# Altium PCB ebox-SPARK-拼板.PcbDoc (part 1 of 3) (continued)
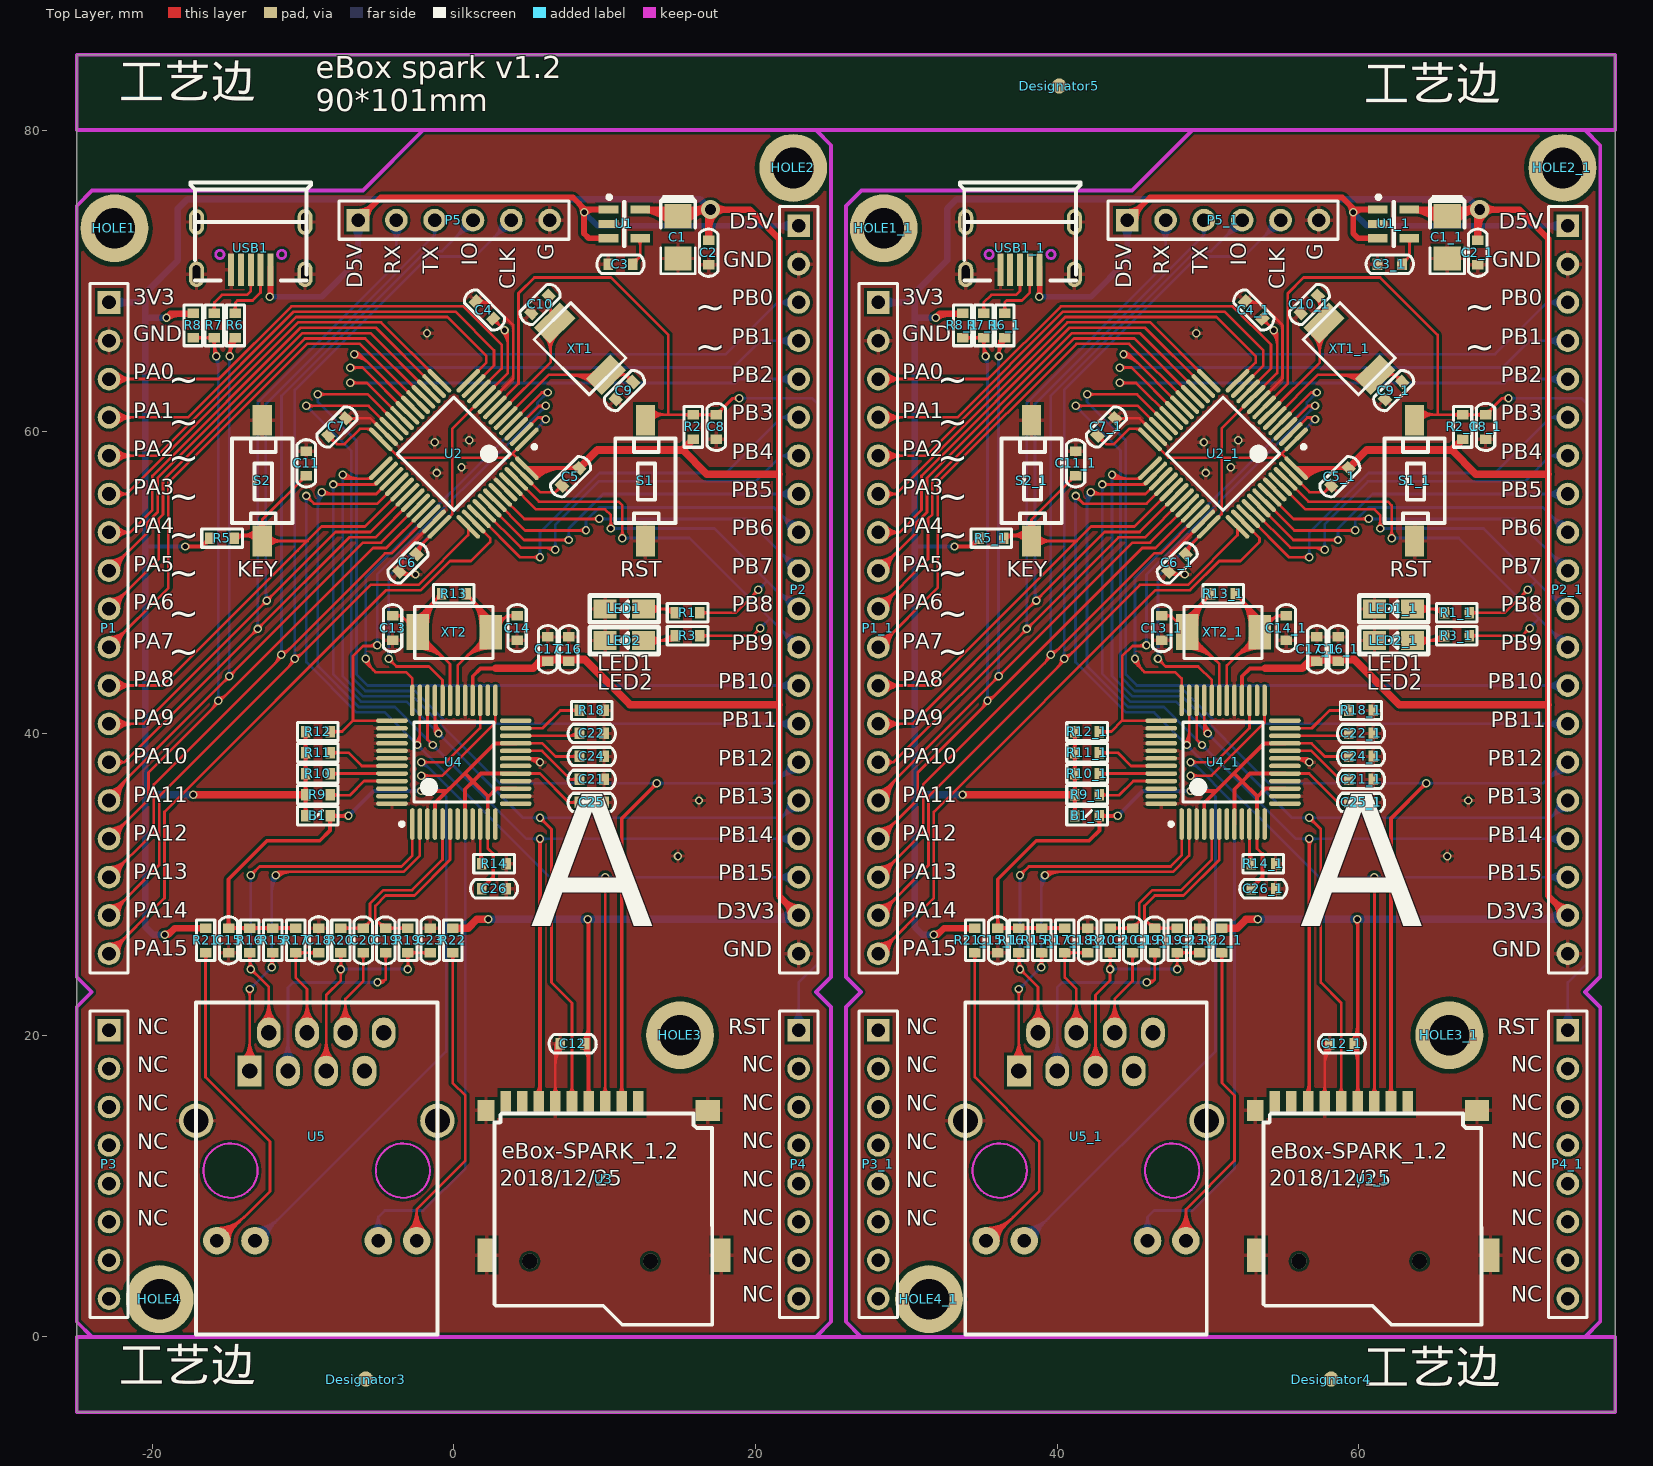
[diagram p0: Top Layer view]
## Nets (pads, with @x,y where several pads share a name; then routed paths per layer and width w, separated by ;. In a path a pad name is that pad's centre, name@x,y a point inside that pad or via, vN(x,y) a via of type N, cw(c..) or ccw(c..) an arc to the next point about the centre after c; other vN are vias at no path point) (continued)
  Bottom Layer w0.254: v1(-6.985,34.544) -5.334,36.195 v1(-2.159,36.195) ; v1@-6.985,34.696 ccw(c-6.985,35.064) -6.725,34.804 ccw(c-6.465,34.544) v1@-6.833,34.544 ; v1@-2.267,36.087 ccw(c-2.527,35.827) -2.527,36.195 ccw(c-2.527,36.563) v1@-2.267,36.303 ; v1(44.015,34.544) 45.666,36.195 v1(48.841,36.195) ; v1@44.015,34.696 ccw(c44.015,35.064) 44.275,34.804 ccw(c44.535,34.544) v1@44.167,34.544 ; v1@48.733,36.087 ccw(c48.473,35.827) 48.473,36.195 ccw(c48.473,36.563) v1@48.733,36.303
ACTLED: U4.27 U4_1.27 U5.11 U5_1.11 | length 97.2
  Top Layer w0.178: v1(-2.159,38.1) -0.508,38.1 1.75,40.358 U4.27@1.75,42.2 ; v1@-2.024,37.965 cw(c-1.699,37.64) -1.699,38.1 cw(c-1.699,38.56) v1@-2.024,38.235 ; v1(48.841,38.1) 50.492,38.1 52.75,40.358 U4_1.27@52.75,42.2 ; v1@48.976,37.965 cw(c49.301,37.64) 49.301,38.1 cw(c49.301,38.56) v1@48.976,38.235
  Bottom Layer w0.178: U5.11@-5.475,7.058 ccw(c-6.085,7.946) -5.008,7.946 ; U5.11@-5.374,6.911 ccw(c-5.853,7.608) -5.008,7.608 ccw(c-4.162,7.608) U5.11@-4.641,6.911 ; U5.11@-5.008,6.378 -5.008,7.946 ; U5.11@-4.54,7.058 cw(c-3.93,7.946) -5.008,7.946 ; v1@-2.159,37.91 cw(c-2.159,37.143) -1.617,37.685 ; v1(-2.159,38.1) -2.032,38.1 0.762,35.306 0.762,11.176 -2.032,8.382 -4.572,8.382 -5.008,7.946 ; U5_1.11@45.525,7.058 ccw(c44.915,7.946) 45.992,7.946 ; U5_1.11@45.626,6.911 ccw(c45.147,7.608) 45.992,7.608 ccw(c46.838,7.608) U5_1.11@46.359,6.911 ; U5_1.11@45.992,6.378 45.992,7.946 ; U5_1.11@46.46,7.058 cw(c47.07,7.946) 45.992,7.946 ; v1@48.841,37.91 cw(c48.841,37.143) 49.383,37.685 ; v1(48.841,38.1) 48.968,38.1 51.762,35.306 51.762,11.176 48.968,8.382 46.428,8.382 45.992,7.946
D3V3: B1.1 B1_1.1 C1.1 C1_1.1 C2.2 C2_1.2 C4.2 C4_1.2 C5.2 C5_1.2 C6.1 C6_1.1 C7.2 C7_1.2 C12.1 C12_1.1 C16.1 C16_1.1 C17.1 C17_1.1 P1.1 P1_1.1 P2.19 P2_1.19 R2.1 R2_1.1 R5.1 R5_1.1 R8.2 R8_1.2 R9.2 R9_1.2 R10.2 R10_1.2 R11.2 R11_1.2 R12.2 R12_1.2 R21.1 R21_1.1 R22.1 R22_1.1 U1.5 U1_1.5 U2.1 U2.9 U2.24 U2.36 U2.48 U2_1.1 U2_1.9 U2_1.24 U2_1.36 U2_1.48 U3.4 U3_1.4 U4.28 U4_1.28 | length 659.3
  Top Layer w0.178: C7.2@-8.322,59.75 -7.753,59.182 -7.239,59.182 -6.223,60.198 -5.54,60.198 U2.24@-4.844,59.502 -3.634,58.292 -0.099,58.292 ; C7.2@-8.277,59.477 cw(c-8.277,58.925) -7.887,59.315 cw(c-7.496,59.705) C7.2@-8.048,59.705 ; -5.772,60.198 cw(c-5.772,59.846) U2.24@-5.523,60.095 ; C6.1@-2.473,51.883 -2.473,52.185 U2.36@-0.955,53.703 -0.099,54.559 -0.099,58.292 ; C6.1@-2.467,51.928 cw(c-1.833,51.928) -2.281,52.376 ; C6.1@-2.29,51.928 cw(c-1.226,51.928) -1.978,52.68 ; C4.2@2.607,67.269 cw(c2.607,66.717) 2.997,67.107 cw(c3.387,67.497) C4.2@2.835,67.497 ; C4.2@2.607,67.497 v1(3.362,66.742) 3.581,66.523 3.581,63.896 U2.9@2.015,62.33 -0.099,60.216 -0.099,58.292 ; v1@3.172,66.742 ccw(c2.712,66.742) 3.037,67.067 ccw(c3.362,67.392) v1@3.362,66.932 ; v1@3.228,66.607 cw(c2.374,65.753) 3.581,65.753 ; v1@3.353,66.733 cw(c2.803,66.182) 3.581,66.182 ; 3.912,58.524 U2.48@4.844,57.592 ; U2.48@4.144,58.292 U2.48@4.844,57.592 ; U2.1@4.844,59.502 3.634,58.292 -0.099,58.292 ; U2.48@4.849,57.598 U2.48@4.844,57.592 ; C7_1.2@42.678,59.75 43.247,59.182 43.761,59.182 44.777,60.198 45.46,60.198 U2_1.24@46.156,59.502 47.366,58.292 50.901,58.292 ; C7_1.2@42.723,59.477 cw(c42.723,58.925) 43.113,59.315 cw(c43.504,59.705) C7_1.2@42.952,59.705 ; 45.228,60.198 cw(c45.228,59.846) U2_1.24@45.477,60.095 ; C6_1.1@48.527,51.883 48.527,52.185 U2_1.36@50.045,53.703 50.901,54.559 50.901,58.292 ; C6_1.1@48.533,51.928 cw(c49.167,51.928) 48.719,52.376 ; C6_1.1@48.71,51.928 cw(c49.774,51.928) 49.022,52.68 ; C4_1.2@53.607,67.269 cw(c53.607,66.717) 53.997,67.107 cw(c54.387,67.497) C4_1.2@53.835,67.497 ; C4_1.2@53.607,67.497 v1(54.362,66.742) 54.581,66.523 54.581,63.896 U2_1.9@53.015,62.33 50.901,60.216 50.901,58.292 ; v1@54.172,66.742 ccw(c53.712,66.742) 54.037,67.067 ccw(c54.362,67.392) v1@54.362,66.932 ; v1@54.228,66.607 cw(c53.374,65.753) 54.581,65.753 ; v1@54.353,66.733 cw(c53.803,66.182) 54.581,66.182 ; 54.912,58.524 U2_1.48@55.844,57.592 ; U2_1.48@55.144,58.292 U2_1.48@55.844,57.592 ; U2_1.1@55.844,59.502 54.634,58.292 50.901,58.292 ; U2_1.48@55.849,57.598 U2_1.48@55.844,57.592
  Top Layer w0.254: v1(-17.805,52.4) -16.739,52.4 R5.1@-16.18,52.959 ; v1@-17.698,52.292 cw(c-17.437,52.032) -17.437,52.4 cw(c-17.437,52.768) v1@-17.698,52.508 ; -16.613,52.525 cw(c-16.18,52.092) R5.1@-16.18,52.705 ; R5.1@-16.46,52.679 ccw(c-16.677,52.895) R5.1@-16.37,52.895 ; B1.1@-9.965,34.742 ccw(c-10.29,35.067) -9.83,35.067 ccw(c-9.37,35.067) B1.1@-9.695,34.742 ; R9.2@-9.965,35.743 cw(c-10.29,35.418) -9.83,35.418 cw(c-9.37,35.418) R9.2@-9.695,35.743 ; R9.2@-9.965,36.139 ccw(c-10.29,36.464) -9.83,36.464 ccw(c-9.37,36.464) R9.2@-9.695,36.139 ; R10.2@-9.965,37.14 cw(c-10.29,36.815) -9.83,36.815 cw(c-9.37,36.815) R10.2@-9.695,37.14 ; R10.2@-9.965,37.536 ccw(c-10.29,37.861) -9.83,37.861 ccw(c-9.37,37.861) R10.2@-9.695,37.536 ; R11.2@-9.965,38.537 cw(c-10.29,38.212) -9.83,38.212 cw(c-9.37,38.212) R11.2@-9.695,38.537 ; R11.2@-9.965,38.933 ccw(c-10.29,39.258) -9.83,39.258 ccw(c-9.37,39.258) R11.2@-9.695,38.933 ; R12.2@-9.965,39.934 cw(c-10.29,39.609) -9.83,39.609 cw(c-9.37,39.609) R12.2@-9.695,39.934 ; B1.1@-9.83,34.544 -9.83,35.909 -9.83,37.274 -9.83,38.64 R12.2@-9.83,40.005 ; U4.28@1.25,42.2 1.25,43.795 1.778,44.323 2.794,44.323 ; U2.48@4.849,57.598 C5.2@8.322,57.598 ; U2.48@4.958,57.479 cw(c5.245,57.191) 5.245,57.598 ; U2.48@5.137,57.299 cw(c5.858,56.578) 5.858,57.598 ; U2.48@5.317,57.119 cw(c6.472,55.964) 6.472,57.598 ; U2.48@5.496,56.94 cw(c7.085,55.351) 7.085,57.598 ; 7.709,57.598 ccw(c7.709,58.211) C5.2@8.142,57.777 ; C5.2@7.925,57.598 cw(c7.925,57.291) C5.2@8.142,57.508 ; C12.1@8.552,19.233 cw(c7.634,18.314) 8.933,18.314 ; C12.1@8.552,19.629 ccw(c7.634,20.548) 8.933,20.548 ; C12.1@8.732,19.412 cw(c8.247,18.927) 8.933,18.927 ; C12.1@8.732,19.45 ccw(c8.247,19.935) 8.933,19.935 ; U3.4@8.775,16.122 ccw(c8.394,16.503) 8.933,16.503 ccw(c9.471,16.503) U3.4@9.09,16.122 ; v1@8.782,27.578 cw(c8.419,27.215) 8.933,27.215 ; v1(8.89,27.686) 8.933,27.643 U3.4@8.933,15.515 ; v1(33.195,52.4) 34.261,52.4 R5_1.1@34.82,52.959 ; v1@33.302,52.292 cw(c33.563,52.032) 33.563,52.4 cw(c33.563,52.768) v1@33.302,52.508 ; 34.387,52.525 cw(c34.82,52.092) R5_1.1@34.82,52.705 ; R5_1.1@34.54,52.679 ccw(c34.323,52.895) R5_1.1@34.63,52.895 ; B1_1.1@41.035,34.742 ccw(c40.71,35.067) 41.17,35.067 ccw(c41.63,35.067) B1_1.1@41.305,34.742 ; R9_1.2@41.035,35.743 cw(c40.71,35.418) 41.17,35.418 cw(c41.63,35.418) R9_1.2@41.305,35.743 ; R9_1.2@41.035,36.139 ccw(c40.71,36.464) 41.17,36.464 ccw(c41.63,36.464) R9_1.2@41.305,36.139 ; R10_1.2@41.035,37.14 cw(c40.71,36.815) 41.17,36.815 cw(c41.63,36.815) R10_1.2@41.305,37.14 ; R10_1.2@41.035,37.536 ccw(c40.71,37.861) 41.17,37.861 ccw(c41.63,37.861) R10_1.2@41.305,37.536 ; R11_1.2@41.035,38.537 cw(c40.71,38.212) 41.17,38.212 cw(c41.63,38.212) R11_1.2@41.305,38.537 ; R11_1.2@41.035,38.933 ccw(c40.71,39.258) 41.17,39.258 ccw(c41.63,39.258) R11_1.2@41.305,38.933 ; R12_1.2@41.035,39.934 cw(c40.71,39.609) 41.17,39.609 cw(c41.63,39.609) R12_1.2@41.305,39.934 ; B1_1.1@41.17,34.544 41.17,35.909 41.17,37.274 41.17,38.64 R12_1.2@41.17,40.005 ; U4_1.28@52.25,42.2 52.25,43.795 52.778,44.323 53.794,44.323 ; U2_1.48@55.849,57.598 C5_1.2@59.322,57.598 ; U2_1.48@55.958,57.479 cw(c56.245,57.191) 56.245,57.598 ; U2_1.48@56.137,57.299 cw(c56.858,56.578) 56.858,57.598 ; U2_1.48@56.317,57.119 cw(c57.472,55.964) 57.472,57.598 ; U2_1.48@56.496,56.94 cw(c58.085,55.351) 58.085,57.598 ; 58.709,57.598 ccw(c58.709,58.211) C5_1.2@59.142,57.777 ; C5_1.2@58.925,57.598 cw(c58.925,57.291) C5_1.2@59.142,57.508 ; C12_1.1@59.552,19.233 cw(c58.634,18.314) 59.933,18.314 ; C12_1.1@59.552,19.629 ccw(c58.634,20.548) 59.933,20.548 ; C12_1.1@59.732,19.412 cw(c59.247,18.927) 59.933,18.927 ; C12_1.1@59.732,19.45 ccw(c59.247,19.935) 59.933,19.935 ; U3_1.4@59.775,16.122 ccw(c59.394,16.503) 59.933,16.503 ccw(c60.471,16.503) U3_1.4@60.09,16.122 ; v1@59.782,27.578 cw(c59.419,27.215) 59.933,27.215 ; v1(59.89,27.686) 59.933,27.643 U3_1.4@59.933,15.515
  Top Layer w0.432: v1(-19.177,26.67) -18.923,26.67 -18.491,27.102 R21.1@-16.459,27.102 ; v1@-19.177,26.733 ccw(c-19.177,27.5) -18.635,26.958 ; v1(-19.05,67.564) -18.796,67.818 R8.2@-17.272,67.818 ; v1@-19.005,67.519 cw(c-18.283,66.797) -18.283,67.818 ; -17.703,67.818 ccw(c-17.703,68.237) R8.2@-17.407,67.941 ; U1.5@12.354,74.737 v3(17.018,74.737) ; U1.5@12.354,74.737 cw(c12.354,71.989) C1.1@14.337,73.891 ; 13.366,74.737 cw(c13.366,72.96) C1.1@14.649,74.19 ; C1.1@15.081,74.203 cw(c16.151,73.396) 16.151,74.737 ; C1.1@15.425,73.943 cw(c17.018,72.742) v3@17.018,74.737 ; v3@16.722,74.441 ccw(c16.006,73.725) 16.006,74.737 ccw(c16.006,75.749) v3@16.722,75.033 ; v3@17.314,74.441 cw(c18.03,73.725) 18.03,74.737 cw(c18.03,75.749) v3@17.314,75.033 ; P2.19@22.326,27.94 ccw(c21.036,27.94) 21.948,28.852 ccw(c22.86,29.764) P2.19@22.86,28.474 ; P2.19@22.86,27.94 21.565,29.235 21.565,41.91 21.565,57.201 21.565,72.796 19.624,74.737 v3(17.018,74.737) ; v1(31.823,26.67) 32.077,26.67 32.509,27.102 R21_1.1@34.541,27.102 ; v1@31.823,26.733 ccw(c31.823,27.5) 32.365,26.958 ; v1(31.95,67.564) 32.204,67.818 R8_1.2@33.728,67.818 ; v1@31.995,67.519 cw(c32.717,66.797) 32.717,67.818 ; 33.297,67.818 ccw(c33.297,68.237) R8_1.2@33.593,67.941 ; 64.366,74.737 cw(c64.366,72.96) C1_1.1@65.649,74.19 ; C1_1.1@65.337,73.891 ccw(c63.354,71.989) U1_1.5@63.354,74.737 v3(68.018,74.737) 70.624,74.737 72.565,72.796 72.565,57.201 72.565,41.91 72.565,29.235 P2_1.19@73.86,27.94 ; C1_1.1@66.081,74.203 cw(c67.151,73.396) 67.151,74.737 ; C1_1.1@66.425,73.943 cw(c68.018,72.742) v3(68.018,74.737) ; v3@67.722,74.441 ccw(c67.006,73.725) 67.006,74.737 ccw(c67.006,75.749) v3@67.722,75.033 ; v3@68.314,74.441 cw(c69.03,73.725) 69.03,74.737 cw(c69.03,75.749) v3@68.314,75.033 ; P2_1.19@73.326,27.94 ccw(c72.036,27.94) 72.948,28.852 ccw(c73.86,29.764) P2_1.19@73.86,28.474
  Top Layer w0.508: v1(-17.272,35.941) R9.2@-9.83,35.941 ; R22.1@-0.076,27.102 0.94,27.102 1.524,27.686 v1(2.286,27.686) ; 2.794,44.323 5.258,44.323 5.842,44.907 8.687,44.907 11.684,41.91 21.565,41.91 ; 5.292,44.357 cw(c6.159,43.49) C17.1@6.159,44.717 ; C17.1@6.331,44.735 cw(c6.746,44.32) 6.746,44.907 ; 7.097,44.907 cw(c7.097,44.32) C16.1@7.512,44.735 ; C5.2@8.322,57.598 9.525,58.801 15.164,58.801 ; R2.1@15.875,59.512 15.164,58.801 ; C2.2@16.891,72.695 16.891,74.61 v3(17.018,74.737) ; 16.891,73.511 cw(c18.244,73.511) v3@17.287,74.468 ; 21.565,57.201 16.764,57.201 15.164,58.801 ; v1(33.728,35.941) R9_1.2@41.17,35.941 ; R22_1.1@50.924,27.102 51.94,27.102 52.524,27.686 v1(53.286,27.686) ; 53.794,44.323 56.258,44.323 56.842,44.907 59.687,44.907 62.684,41.91 72.565,41.91 ; 56.292,44.357 cw(c57.159,43.49) C17_1.1@57.159,44.717 ; C17_1.1@57.331,44.735 cw(c57.746,44.32) 57.746,44.907 ; 58.097,44.907 cw(c58.097,44.32) C16_1.1@58.512,44.735 ; C5_1.2@59.322,57.598 60.525,58.801 66.164,58.801 ; R2_1.1@66.875,59.512 66.164,58.801 ; C2_1.2@67.891,72.695 67.891,74.61 v3(68.018,74.737) ; 67.891,73.511 cw(c69.244,73.511) v3@68.287,74.468 ; 72.565,57.201 67.764,57.201 66.164,58.801
  Bottom Layer w0.254: -20.422,52.4 v1(-17.805,52.4) ; v1@-17.913,52.292 ccw(c-18.173,52.032) -18.173,52.4 ccw(c-18.173,52.768) v1@-17.913,52.508 ; 30.578,52.4 v1(33.195,52.4) ; v1@33.087,52.292 ccw(c32.827,52.032) 32.827,52.4 ccw(c32.827,52.768) v1@33.087,52.508
  Bottom Layer w0.432: P1.1@-22.86,68.58 -20.447,68.58 ; P1.1@-22.482,68.202 cw(c-21.571,67.291) -21.571,68.58 cw(c-21.571,69.869) P1.1@-22.482,68.958 ; -20.447,31.496 -20.447,31.75 ; v1(-19.177,26.67) -19.939,26.67 -20.447,27.178 -20.447,31.75 ; v1(-19.05,67.564) -20.447,67.564 ; v3@17.018,74.887 v3(17.018,74.737) 16.317,75.438 -17.653,75.438 -18.288,74.803 -18.288,71.374 -20.447,69.215 -20.447,68.58 ; P1_1.1@28.14,68.58 30.553,68.58 ; P1_1.1@28.518,68.202 cw(c29.429,67.291) 29.429,68.58 cw(c29.429,69.869) P1_1.1@28.518,68.958 ; 30.553,31.496 30.553,31.75 ; v1(31.823,26.67) 31.061,26.67 30.553,27.178 30.553,31.75 ; v1(31.95,67.564) 30.553,67.564 ; v3@68.018,74.887 v3(68.018,74.737) 67.317,75.438 33.347,75.438 32.712,74.803 32.712,71.374 30.553,69.215 30.553,68.58 ; -20.447,31.75 -20.447,35.941 -20.447,67.564 ; -20.447,67.564 -20.447,68.58 ; 30.553,31.75 30.553,35.941 30.553,67.564 ; 30.553,67.564 30.553,68.58
  Bottom Layer w0.508: -20.447,35.941 v1(-17.272,35.941) ; v1(2.286,27.686) 22.606,27.686 P2.19@22.86,27.94 ; 21.049,27.686 ccw(c21.049,29.751) P2.19@22.509,28.291 ; 30.553,35.941 v1(33.728,35.941) ; v1(53.286,27.686) 73.606,27.686 P2_1.19@73.86,27.94 ; 72.049,27.686 ccw(c72.049,29.751) P2_1.19@73.509,28.291
D5V: P2.1 P2_1.1 P5.1 P5_1.1 U1.1 U1.3 U1_1.1 U1_1.3 USB1.1 USB1_1.1 | length 109.9
  Top Layer w0.381: v1@-12.255,69.024 ccw(c-12.479,69.248) -12.162,69.248 ; v1(-12.192,68.961) -12.162,68.991 USB1.1@-12.162,70.754 USB1.1@-12.162,70.881 ; P5.1@-6.35,74.041 -4.851,75.54 7.899,75.54 8.636,74.803 v1(8.636,74.549) ; P5.1@-6.35,74.6 ccw(c-6.35,75.951) -5.395,74.996 ccw(c-4.44,74.041) P5.1@-5.791,74.041 ; 8.305,75.134 cw(c7.719,74.549) v1@8.547,74.549 ; v1@8.699,74.486 cw(c9.304,73.881) 9.304,74.737 ; U1.3@10.252,72.837 8.951,72.837 8.636,73.152 v1(8.636,74.549) ; U1.1@10.252,74.737 8.824,74.737 v1(8.636,74.549) ; v1@38.745,69.024 ccw(c38.521,69.248) 38.838,69.248 ; v1(38.808,68.961) 38.838,68.991 USB1_1.1@38.838,70.754 USB1_1.1@38.838,70.881 ; P5_1.1@44.65,74.041 46.149,75.54 58.899,75.54 59.636,74.803 v1(59.636,74.549) ; P5_1.1@44.65,74.6 ccw(c44.65,75.951) 45.605,74.996 ccw(c46.56,74.041) P5_1.1@45.209,74.041 ; 59.305,75.134 cw(c58.719,74.549) v1@59.547,74.549 ; v1@59.699,74.486 cw(c60.304,73.881) 60.304,74.737 ; U1_1.3@61.252,72.837 59.951,72.837 59.636,73.152 v1(59.636,74.549) ; U1_1.1@61.252,74.737 59.824,74.737 v1(59.636,74.549)
  Bottom Layer w0.381: v1(-12.192,68.961) -8.763,68.961 -6.35,71.374 P5.1@-6.35,74.041 ; P5.1@-6.746,73.645 cw(c-7.701,72.69) -6.35,72.69 cw(c-4.999,72.69) P5.1@-5.954,73.645 ; v1(8.636,74.549) 9.525,73.66 P2.1@22.86,73.66 ; P2.1@22.464,73.264 ccw(c21.509,72.309) 21.509,73.66 ccw(c21.509,75.011) P2.1@22.464,74.056 ; v1(38.808,68.961) 42.237,68.961 44.65,71.374 P5_1.1@44.65,74.041 ; P5_1.1@44.254,73.645 cw(c43.299,72.69) 44.65,72.69 cw(c46.001,72.69) P5_1.1@45.046,73.645 ; v1(59.636,74.549) 60.525,73.66 P2_1.1@73.86,73.66 ; P2_1.1@73.464,73.264 ccw(c72.509,72.309) 72.509,73.66 ccw(c72.509,75.011) P2_1.1@73.464,74.056
GND: C1.2 C1_1.2 C2.1 C2_1.1 C3.2 C3_1.2 C4.1 C4_1.1 C5.1 C5_1.1 C6.2 C6_1.2 C7.1 C7_1.1 C8.2 C8_1.2 C9.2 C9_1.2 C10.2 C10_1.2 C11.1 C11_1.1 C12.2 C12_1.2 C13.1 C13_1.1 C14.2 C14_1.2 C15.2 C15_1.2 C16.2 C16_1.2 C17.2 C17_1.2 C18.1 C18_1.1 C21.1 C21_1.1 C22.1 C22_1.1 C23.2 C23_1.2 C24.1 C24_1.1 C25.1 C25_1.1 C26.1 C26_1.1 LED1.K LED1_1.K LED2.K LED2_1.K P1.2 P1_1.2 P2.2 P2.20 P2_1.2 P2_1.20 P5.6 P5_1.6 R14.2 R14_1.2 R18.1 R18_1.1 S1.1 S1_1.1 S2.2 S2_1.2 U1.2 U1_1.2 U2.8 U2.23 U2.35 U2.44 U2.47 U2_1.8 U2_1.23 U2_1.35 U2_1.44 U2_1.47 U3.0 U3.6 U3_1.0 U3_1.6 U4.3 U4.9 U4.14 U4.16 U4.19 U4.29 U4.38 U4.39 U4.40 U4.41 U4.42 U4.48 U4_1.3 U4_1.9 U4_1.14 U4_1.16 U4_1.19 U4_1.29 U4_1.38 U4_1.39 U4_1.40 U4_1.41 U4_1.42 U4_1.48 U5.13 U5_1.13 USB1.0 USB1.5 USB1_1.0 USB1_1.5 | length 79.3
  Top Layer w0.178: C7.1@-7.172,60.9 -5.535,60.9 U2.23@-4.49,59.855 ; C7.1@-6.966,60.693 cw(c-6.467,60.195) -6.467,60.9 ; C7.1@-6.966,61.016 ccw(c-6.684,61.298) -6.684,60.9 ; C6.2@-3.829,50.94 ccw(c-4.796,51.906) -3.429,51.906 ; C6.2@-3.704,50.814 ccw(c-4.366,51.477) -3.429,51.477 ; C6.2@-3.623,50.733 -3.429,50.927 -3.429,51.936 U2.35@-1.308,54.057 ; C6.2@-3.578,50.688 ccw(c-3.937,51.048) -3.429,51.048 ; C6.2@-3.542,50.724 ccw(c-3.111,51.155) -3.111,50.546 ; C6.2@-3.435,50.546 v1(-2.54,50.546) ; C6.2@-3.416,50.85 ccw(c-2.682,51.584) v1@-2.682,50.546 ; v1@-2.675,50.411 ccw(c-3,50.086) -3,50.546 ccw(c-3,51.006) v1@-2.675,50.681 ; C4.1@1.457,68.647 1.524,68.58 2.44,68.58 3.937,67.083 3.937,63.545 U2.8@2.369,61.976 ; C4.1@1.538,68.728 ccw(c1.894,69.084) 1.894,68.58 ; C4.1@1.664,68.853 ccw(c2.324,69.513) 2.324,68.58 ; U4.19@4.1,38.35 5.465,38.35 v1(5.715,38.1) ; U2.47@4.49,57.239 5.722,56.007 6.731,56.007 C5.1@7.172,56.448 ; U4.19@4.652,38.35 cw(c4.652,37.037) v1@5.58,37.965 ; U4.19@5.081,38.35 cw(c5.081,37.466) v1@5.706,38.091 ; 5.51,38.35 cw(c5.51,37.895) v1@5.832,38.217 ; U3.6@6.548,16.149 ccw(c6.102,16.595) 6.733,16.595 ccw(c7.363,16.595) U3.6@6.917,16.149 ; U3.6@6.733,15.515 6.733,19.229 C12.2@6.934,19.431 ; 6.733,18.022 cw(c8.406,18.022) C12.2@7.223,19.206 ; 6.733,18.452 cw(c7.977,18.452) C12.2@7.097,19.332 ; 6.733,18.881 cw(c7.548,18.881) C12.2@6.971,19.457 ; 6.733,19.31 cw(c7.119,19.31) C12.2@6.846,19.583 ; C5.1@6.944,56.448 cw(c6.392,56.448) 6.782,56.058 cw(c7.172,55.668) C5.1@7.172,56.22 ; C7_1.1@43.828,60.9 45.465,60.9 U2_1.23@46.51,59.855 ; C7_1.1@44.034,60.693 cw(c44.533,60.195) 44.533,60.9 ; C7_1.1@44.034,61.016 ccw(c44.316,61.298) 44.316,60.9 ; C6_1.2@47.171,50.94 ccw(c46.204,51.906) 47.571,51.906 ; C6_1.2@47.296,50.814 ccw(c46.634,51.477) 47.571,51.477 ; C6_1.2@47.377,50.733 47.571,50.927 47.571,51.936 U2_1.35@49.692,54.057 ; C6_1.2@47.422,50.688 ccw(c47.063,51.048) 47.571,51.048 ; C6_1.2@47.458,50.724 ccw(c47.888,51.155) 47.888,50.546 ; C6_1.2@47.565,50.546 v1(48.46,50.546) ; C6_1.2@47.584,50.85 ccw(c48.318,51.584) v1@48.318,50.546 ; v1@48.325,50.411 ccw(c48,50.086) 48,50.546 ccw(c48,51.006) v1@48.325,50.681 ; C4_1.1@52.457,68.647 52.524,68.58 53.44,68.58 54.937,67.083 54.937,63.545 U2_1.8@53.369,61.976 ; C4_1.1@52.538,68.728 ccw(c52.894,69.084) 52.894,68.58 ; C4_1.1@52.664,68.853 ccw(c53.324,69.513) 53.324,68.58 ; U4_1.19@55.1,38.35 56.465,38.35 v1(56.715,38.1) ; U2_1.47@55.49,57.239 56.722,56.007 57.731,56.007 C5_1.1@58.172,56.448 ; U4_1.19@55.652,38.35 cw(c55.652,37.037) v1@56.58,37.965 ; U4_1.19@56.081,38.35 cw(c56.081,37.466) v1@56.706,38.091 ; 56.51,38.35 cw(c56.51,37.895) v1@56.832,38.217 ; U3_1.6@57.548,16.149 ccw(c57.102,16.595) 57.733,16.595 ccw(c58.363,16.595) U3_1.6@57.917,16.149 ; U3_1.6@57.733,15.515 57.733,19.229 C12_1.2@57.934,19.431 ; 57.733,18.022 cw(c59.406,18.022) C12_1.2@58.223,19.206 ; 57.733,18.452 cw(c58.977,18.452) C12_1.2@58.097,19.332 ; 57.733,18.881 cw(c58.548,18.881) C12_1.2@57.971,19.457 ; 57.733,19.31 cw(c58.119,19.31) C12_1.2@57.846,19.583 ; C5_1.1@57.944,56.448 cw(c57.392,56.448) 57.782,56.058 cw(c58.172,55.668) C5_1.1@58.172,56.22
  other v1: 14.859,31.877 65.859,31.877 16.256,35.56 67.256,35.56 -1.143,57.277 49.857,57.277 0.508,57.658 51.508,57.658 -1.27,59.309 49.73,59.309 1.016,59.436 52.016,59.436 -1.778,66.548 49.222,66.548
LINKLED: U4.25 U4_1.25 U5.10 U5_1.10 | length 110.2
  Top Layer w0.178: v1(-2.159,37.211) -0.762,37.211 2.75,40.723 U4.25@2.75,42.2 ; v1@-2.024,37.076 cw(c-1.699,36.751) -1.699,37.211 cw(c-1.699,37.671) v1@-2.024,37.346 ; v1(48.841,37.211) 50.238,37.211 53.75,40.723 U4_1.25@53.75,42.2 ; v1@48.976,37.076 cw(c49.301,36.751) 49.301,37.211 cw(c49.301,37.671) v1@48.976,37.346
  Bottom Layer w0.178: U5.10@-13.183,6.378 -13.053,6.378 -0.508,18.923 -0.508,35.814 -1.372,36.678 ; U5.10@-13.183,6.67 ccw(c-13.183,7.688) -12.463,6.968 ; U5.10@-13.183,6.848 ccw(c-13.183,8.295) -12.16,7.271 ; U5.10@-13.183,7.025 ccw(c-13.183,8.902) -11.856,7.575 ; U5.10@-13.183,7.203 ccw(c-13.183,9.509) -11.553,7.878 ; U5.10@-12.713,6.378 cw(c-11.892,6.378) -12.472,6.959 ; U5.10@-12.535,6.378 cw(c-11.285,6.378) -12.169,7.262 ; U5.10@-12.357,6.378 cw(c-10.677,6.378) -11.865,7.566 ; v1@-2.159,37.02 cw(c-2.159,35.947) -1.4,36.706 ; v1@-2.159,37.198 cw(c-2.159,36.554) -1.704,37.01 ; v1(-2.159,37.211) -1.905,37.211 -1.372,36.678 ; -1.372,36.703 -1.372,36.678 ; U5_1.10@37.817,6.378 37.947,6.378 50.492,18.923 50.492,35.814 49.628,36.678 ; U5_1.10@37.817,6.67 ccw(c37.817,7.688) 38.537,6.968 ; U5_1.10@37.817,6.848 ccw(c37.817,8.295) 38.84,7.271 ; U5_1.10@37.817,7.025 ccw(c37.817,8.902) 39.144,7.575 ; U5_1.10@37.817,7.203 ccw(c37.817,9.509) 39.447,7.878 ; U5_1.10@38.287,6.378 cw(c39.108,6.378) 38.528,6.959 ; U5_1.10@38.465,6.378 cw(c39.715,6.378) 38.831,7.262 ; U5_1.10@38.643,6.378 cw(c40.323,6.378) 39.135,7.566 ; v1@48.841,37.02 cw(c48.841,35.947) 49.6,36.706 ; v1@48.841,37.198 cw(c48.841,36.554) 49.296,37.01 ; v1(48.841,37.211) 49.095,37.211 49.628,36.678 ; 49.628,36.703 49.628,36.678
MISO: P2.17 P2_1.17 U2.27 U2_1.27 U3.7 U3_1.7 U4.34 U4_1.34 | length 171.3
  Top Layer w0.178: v1(-8.763,56.007) -8.636,55.88 -5.142,55.88 U2.27@-4.137,56.885 ; v1@-8.754,56.016 ccw(c-8.426,56.344) -8.426,55.88 ; v1@-8.628,56.142 ccw(c-7.996,56.774) -7.996,55.88 ; U4.34@-1.75,42.2 -1.75,39.596 v1(-1.397,39.243) ; v1(42.237,56.007) 42.364,55.88 45.858,55.88 U2_1.27@46.863,56.885 ; v1@42.246,56.016 ccw(c42.574,56.344) 42.574,55.88 ; v1@42.372,56.142 ccw(c43.004,56.774) 43.004,55.88 ; U4_1.34@49.25,42.2 49.25,39.596 v1(49.603,39.243)
  Top Layer w0.254: U3.7@5.475,16.122 ccw(c4.895,16.702) 5.715,16.702 ; v1@5.607,32.912 cw(c5.347,32.652) 5.715,32.652 cw(c6.083,32.652) v1@5.823,32.912 ; U3.7@5.633,15.515 5.715,15.597 v1(5.715,33.02) ; U3_1.7@56.475,16.122 ccw(c55.895,16.702) 56.715,16.702 ; v1@56.607,32.912 cw(c56.347,32.652) 56.715,32.652 cw(c57.083,32.652) v1@56.823,32.912 ; U3_1.7@56.633,15.515 56.715,15.597 v1(56.715,33.02)
  Bottom Layer w0.178: -9.017,54.934 cw(c-7.69,54.934) v1@-8.628,55.872 ; -9.017,55.363 cw(c-8.119,55.363) v1@-8.754,55.998 ; -9.017,55.792 cw(c-8.548,55.792) v1@-8.88,56.124 ; v1(-8.763,56.007) -9.017,55.753 -9.017,44.47 -6.304,41.758 -3.912,41.758 v1(-1.397,39.243) 4.826,33.02 P2.17@22.86,33.02 ; v1@-1.587,39.243 ccw(c-2.047,39.243) -1.722,39.568 ccw(c-1.397,39.893) v1@-1.397,39.433 ; v1@-1.397,39.052 cw(c-1.397,38.593) -1.072,38.918 cw(c-0.747,39.243) v1@-1.207,39.243 ; v1@5.58,32.885 ccw(c5.255,32.56) 5.255,33.02 ccw(c5.255,33.48) v1@5.58,33.155 ; v1@5.85,32.885 cw(c6.175,32.56) 6.175,33.02 cw(c6.175,33.48) v1@5.85,33.155 ; P2.17@22.393,32.553 ccw(c21.264,31.424) 21.264,33.02 ccw(c21.264,34.616) P2.17@22.393,33.487 ; P2.17@22.518,32.678 ccw(c21.693,31.853) 21.693,33.02 ccw(c21.693,34.187) P2.17@22.518,33.362 ; 41.983,54.934 cw(c43.31,54.934) v1@42.372,55.872 ; 41.983,55.363 cw(c42.881,55.363) v1@42.246,55.998 ; 41.983,55.792 cw(c42.452,55.792) v1@42.12,56.124 ; v1(42.237,56.007) 41.983,55.753 41.983,44.47 44.696,41.758 47.088,41.758 v1(49.603,39.243) 55.826,33.02 P2_1.17@73.86,33.02 ; v1@49.412,39.243 ccw(c48.953,39.243) 49.278,39.568 ccw(c49.603,39.893) v1@49.603,39.433 ; v1@49.603,39.052 cw(c49.603,38.593) 49.928,38.918 cw(c50.253,39.243) v1@49.793,39.243 ; v1@56.58,32.885 ccw(c56.255,32.56) 56.255,33.02 ccw(c56.255,33.48) v1@56.58,33.155 ; v1@56.85,32.885 cw(c57.175,32.56) 57.175,33.02 cw(c57.175,33.48) v1@56.85,33.155 ; P2_1.17@73.393,32.553 ccw(c72.264,31.424) 72.264,33.02 ccw(c72.264,34.616) P2_1.17@73.393,33.487 ; P2_1.17@73.518,32.678 ccw(c72.693,31.853) 72.693,33.02 ccw(c72.693,34.187) P2_1.17@73.518,33.362
MOSI: P2.18 P2_1.18 U2.28 U2_1.28 U3.3 U3_1.3 U4.35 U4_1.35 | length 171.9
  Top Layer w0.178: v1@-9.779,55.562 cw(c-9.779,55.103) -9.454,55.428 cw(c-9.129,55.753) v1@-9.589,55.753 ; v1(-9.779,55.753) -9.271,55.245 -5.07,55.245 U2.28@-3.783,56.532 ; v1@-2.548,39.378 ccw(c-3.266,40.096) -2.25,40.096 ; v1@-2.422,39.252 ccw(c-2.837,39.667) -2.25,39.667 ; v1(-2.413,39.243) -2.25,39.406 U4.35@-2.25,42.2 ; U3.3@9.848,16.149 ccw(c9.402,16.595) 10.033,16.595 ccw(c10.663,16.595) U3.3@10.217,16.149 ; v1@9.898,30.345 cw(c9.574,30.021) 10.033,30.021 ; U3.3@10.033,15.515 v1@10.033,30.48 ; 10.033,30.019 cw(c10.494,30.019) v1@10.168,30.345 ; v1@41.221,55.562 cw(c41.221,55.103) 41.546,55.428 cw(c41.871,55.753) v1@41.411,55.753 ; v1(41.221,55.753) 41.729,55.245 45.93,55.245 U2_1.28@47.217,56.532 ; v1@48.452,39.378 ccw(c47.734,40.096) 48.75,40.096 ; v1@48.578,39.252 ccw(c48.163,39.667) 48.75,39.667 ; v1(48.587,39.243) 48.75,39.406 U4_1.35@48.75,42.2 ; U3_1.3@60.848,16.149 ccw(c60.402,16.595) 61.033,16.595 ccw(c61.663,16.595) U3_1.3@61.217,16.149 ; v1@60.898,30.345 cw(c60.574,30.021) 61.033,30.021 ; U3_1.3@61.033,15.515 v1(61.033,30.48) ; 61.033,30.019 cw(c61.494,30.019) v1@61.168,30.345
  Bottom Layer w0.178: v1@-9.914,55.618 cw(c-10.239,55.293) -9.779,55.293 cw(c-9.319,55.293) v1@-9.644,55.618 ; v1(-9.779,55.753) -9.779,44.73 -6.451,41.402 -4.572,41.402 v1(-2.413,39.243) 6.35,30.48 P2.18@22.86,30.48 ; v1@-2.603,39.243 ccw(c-3.063,39.243) -2.738,39.568 ccw(c-2.413,39.893) v1@-2.413,39.433 ; v1@-2.413,39.052 cw(c-2.413,38.593) -2.088,38.918 cw(c-1.763,39.243) v1@-2.223,39.243 ; v1@9.898,30.345 ccw(c9.573,30.02) 9.573,30.48 ccw(c9.573,30.94) v1@9.898,30.615 ; v1@10.168,30.345 cw(c10.493,30.02) 10.493,30.48 cw(c10.493,30.94) v1@10.168,30.615 ; P2.18@22.393,30.013 ccw(c21.264,28.884) 21.264,30.48 ccw(c21.264,32.076) P2.18@22.393,30.947 ; P2.18@22.518,30.138 ccw(c21.693,29.313) 21.693,30.48 ccw(c21.693,31.647) P2.18@22.518,30.822 ; v1@41.086,55.618 cw(c40.761,55.293) 41.221,55.293 cw(c41.681,55.293) v1@41.356,55.618 ; v1(41.221,55.753) 41.221,44.73 44.549,41.402 46.428,41.402 v1(48.587,39.243) 57.35,30.48 P2_1.18@73.86,30.48 ; v1@48.396,39.243 ccw(c47.937,39.243) 48.262,39.568 ccw(c48.587,39.893) v1@48.587,39.433 ; v1@48.587,39.052 cw(c48.587,38.593) 48.912,38.918 cw(c49.237,39.243) v1@48.777,39.243 ; v1@60.898,30.345 ccw(c60.573,30.02) 60.573,30.48 ccw(c60.573,30.94) v1@60.898,30.615 ; v1@61.168,30.345 cw(c61.493,30.02) 61.493,30.48 cw(c61.493,30.94) v1@61.168,30.615 ; P2_1.18@73.393,30.013 ccw(c72.264,28.884) 72.264,30.48 ccw(c72.264,32.076) P2_1.18@73.393,30.947 ; P2_1.18@73.518,30.138 ccw(c72.693,29.313) 72.693,30.48 ccw(c72.693,31.647) P2_1.18@73.518,30.822
  other v1: 10.033,30.48
NetC3_1: C3.1 C3_1.1 U1.4 U1_1.4 | length 7
  Top Layer w0.178: C3.1@11.862,71.12 12.354,71.612 ; C3.1@11.864,71.412 ccw(c11.871,72.095) 12.354,71.612 ; C3.1@12.09,71.183 cw(c12.489,71.183) 12.207,71.465 ; U1.4@12.222,72.705 cw(c11.905,72.388) 12.354,72.388 cw(c12.803,72.388) U1.4@12.485,72.705 ; U1.4@12.354,72.837 12.354,71.612 ; C3_1.1@62.862,71.12 63.354,71.612 ; C3_1.1@62.864,71.412 ccw(c62.871,72.095) 63.354,71.612 ; C3_1.1@63.09,71.183 cw(c63.489,71.183) 63.207,71.465 ; U1_1.4@63.222,72.705 cw(c62.905,72.388) 63.354,72.388 cw(c63.803,72.388) U1_1.4@63.485,72.705 ; U1_1.4@63.354,72.837 63.354,71.612